# Altium PCB MB1397.PcbDoc (part 8 of 11)
Units mm, origin at the board's own origin, x right, y up, seen from the top; angles counter-clockwise.
Board outline 118.24 x 172.86 mm, 6 copper layers (Top Layer, L2_GND, L3_VCC, L4_SIG, L5_GND, Bottom Layer), stack 1.631 mm thick; 819 components, 632 nets, 2875 pads, 1523 vias.
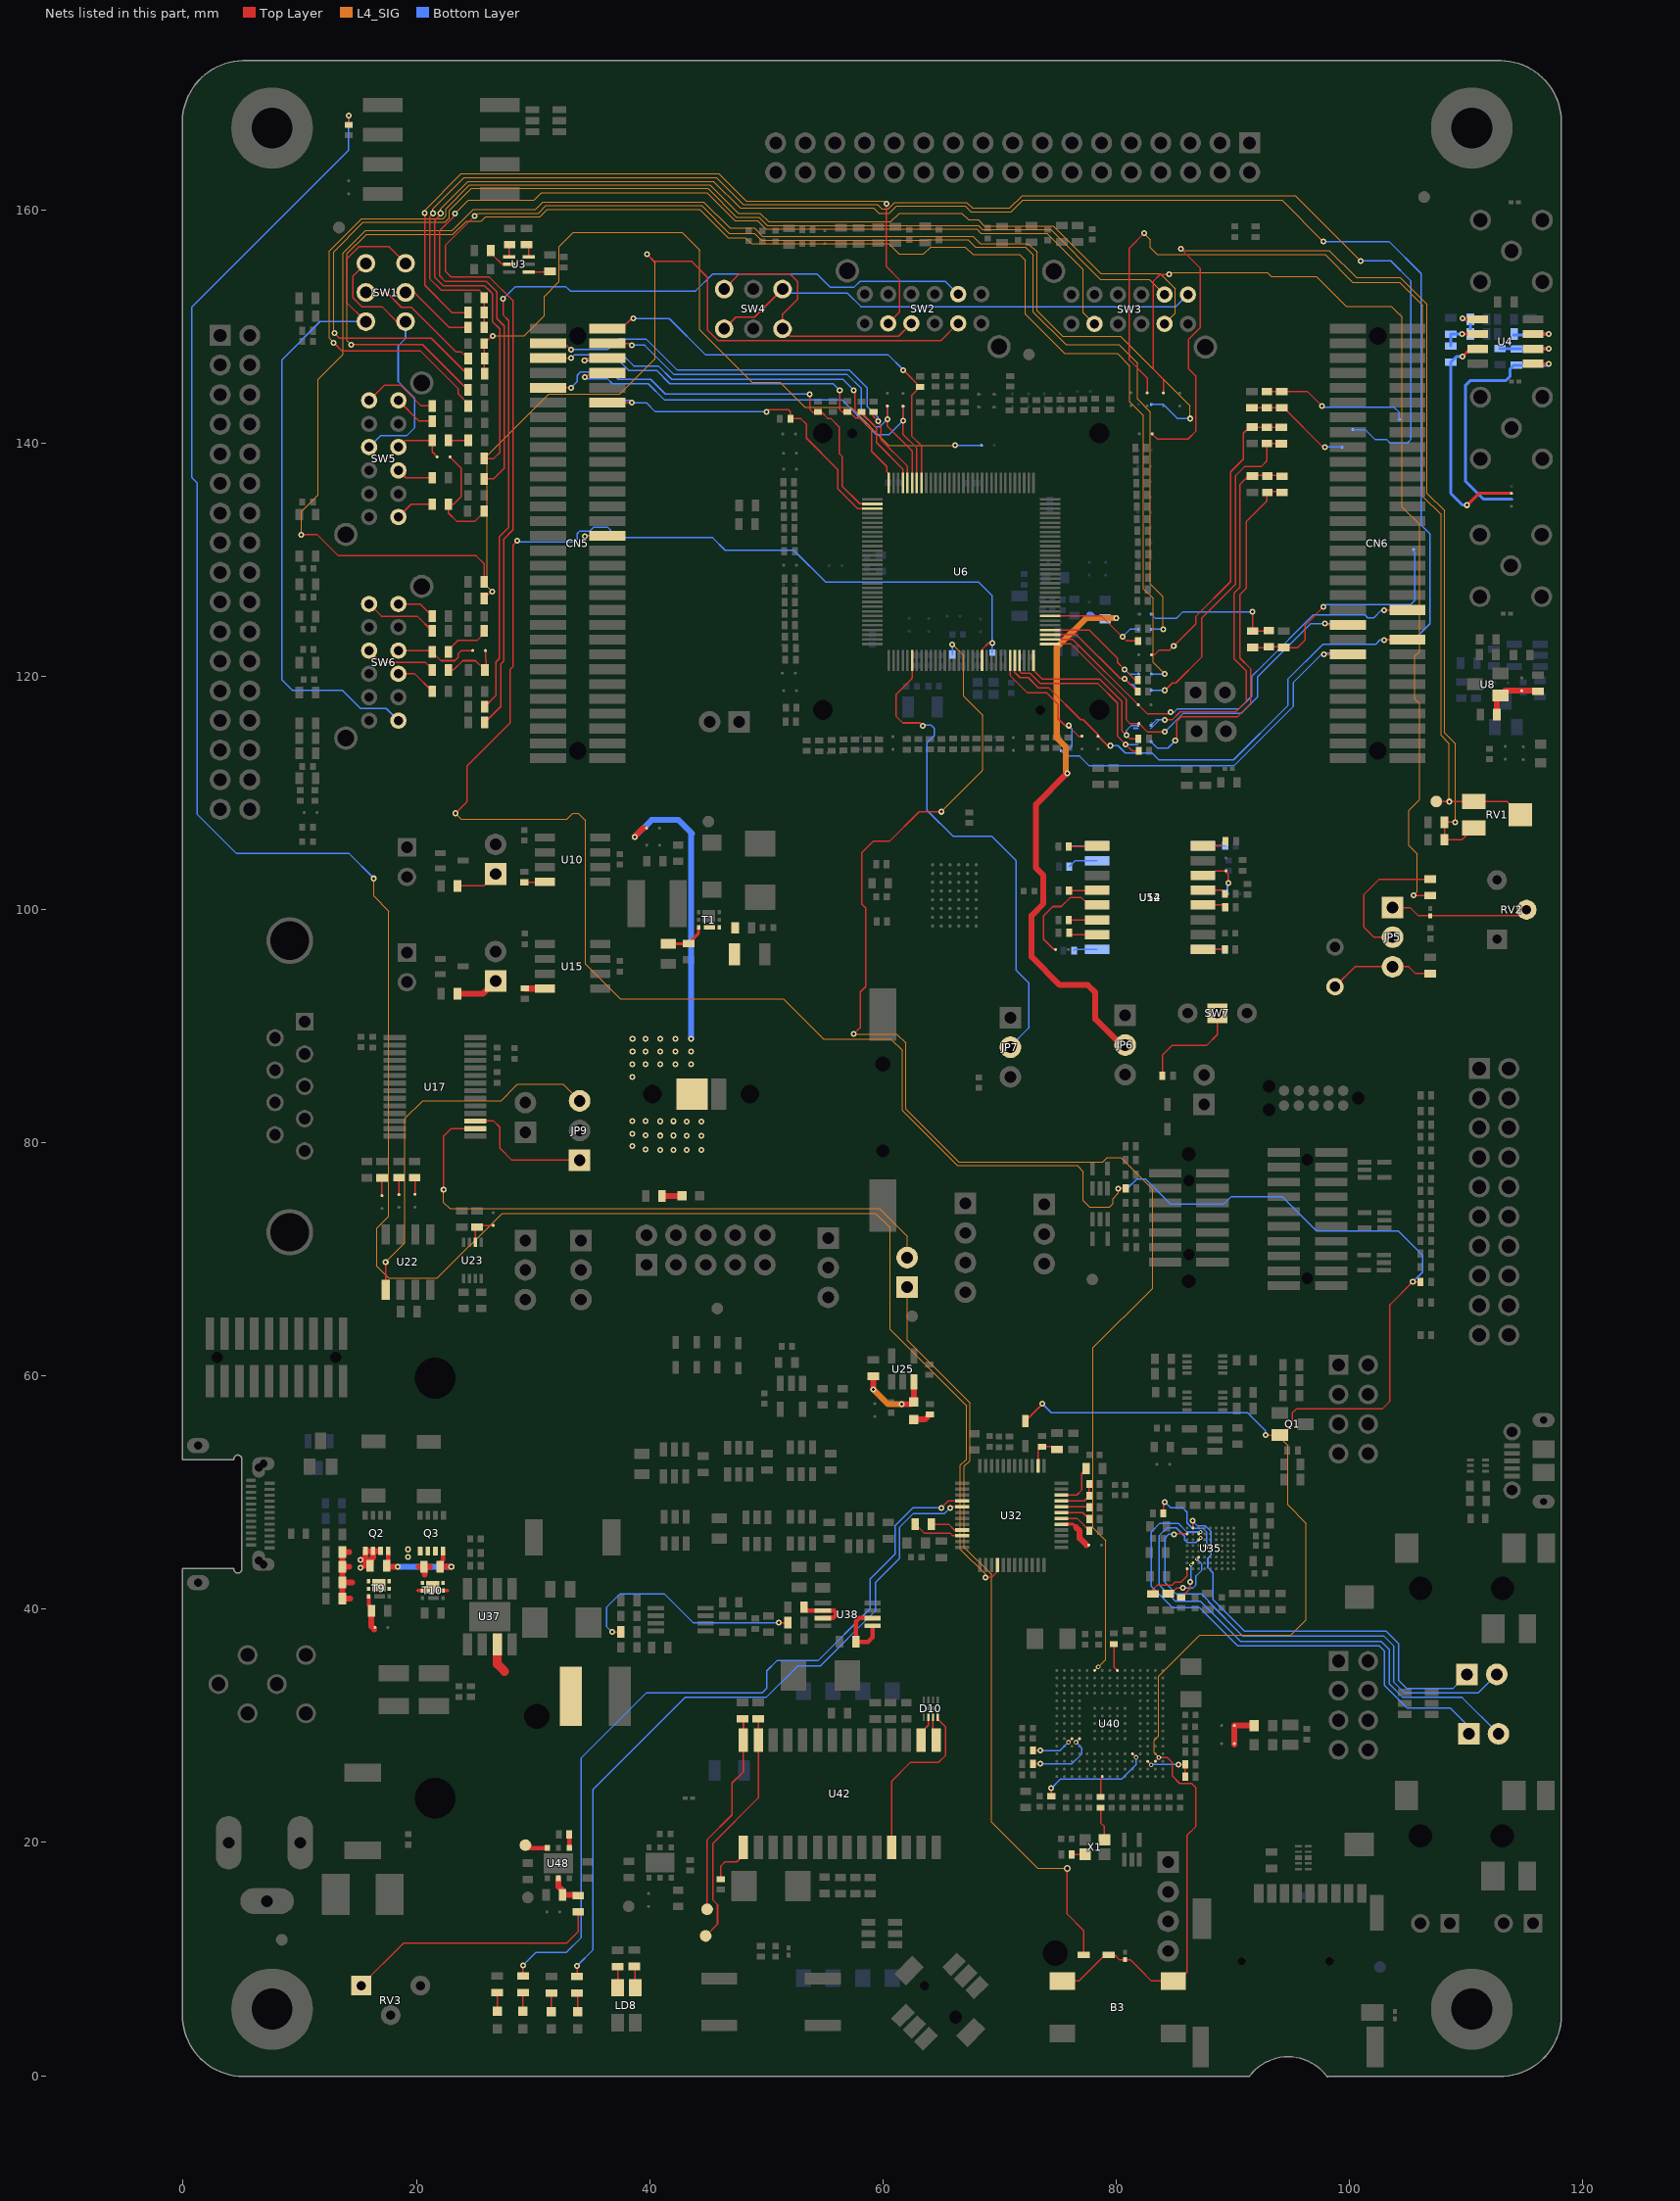
[diagram p12: the nets of this part, all layers, seen from the top]

## Via types
v1: diameter 0.508, hole 0.254, Top Layer to Bottom Layer, tented both sides, 1330 vias
v2: diameter 0.406, hole 0.203, Top Layer to Bottom Layer, tented both sides, 115 vias
v3: diameter 0.508, hole 0.254, Top Layer to Bottom Layer, 33 vias
v4: diameter 0.305, hole 0.152, Top Layer to Bottom Layer, tented both sides, 26 vias
v5: diameter 0.61, hole 0.305, Top Layer to Bottom Layer, tented both sides, 14 vias
v6: diameter 0.61, hole 0.33, Top Layer to Bottom Layer, tented both sides, 2 vias
v7: diameter 0.381, hole 0.203, Top Layer to Bottom Layer, tented both sides, 2 vias
v8: diameter 0.508, hole 0.203, Top Layer to Bottom Layer, tented both sides, 1 vias

## Nets (pads, with @x,y where several pads share a name; then routed paths per layer and width w, separated by ;. In a path a pad name is that pad's centre, name@x,y a point inside that pad or via, vN(x,y) a via of type N, cw(c..) or ccw(c..) an arc to the next point about the centre after c; other vN are vias at no path point) (continued)
NetD10_2: D10.2 U42.16 | length 2.2
  Top Layer w0.127: U42.16@63.283,28.765 63.284,28.763 63.284,29.451 63.894,30.061 D10.2@63.894,30.733
NetD10_3: D10.3 U42.15 | length 2.1
  Top Layer w0.127: D10.3@64.294,30.733 64.292,29.022 U42.15@64.553,28.765 64.554,28.763 U42.15@64.553,28.765
NetD10_4: D10.4 U42.11 | length 14.8
  Top Layer w0.127: U42.11@60.743,19.585 60.744,19.583 60.744,25.258 62.332,26.845 64.742,26.845 65.377,27.48 65.377,29.893 64.694,30.577 D10.4@64.694,30.733
NetD11_2: D11.2 JP18.1 | length 66.2
  Top Layer w0.127: v5(75.798,17.777) 75.798,13.858 77.213,12.443 D11.2@77.213,10.363
  L4_SIG w0.102: JP18.1@62.078,68.402 JP18.1@62.078,67.615 62.078,63.083 67.457,57.703 67.457,52.755 66.98,52.278 66.98,45.313 69.314,42.979 69.314,21.742 73.279,17.777 v5(75.798,17.777)
NetJP2_1: JP2.1 R165.2 | length 3.7
  Top Layer w0.127: R165.2@23.521,102.027 25.766,102.027 JP2.1@26.782,103.044
NetJP4_1: JP4.1 R181.2 | length 3.7
  Top Layer w0.508: R181.2@23.52,92.788 25.715,92.786 JP4.1@26.782,93.854
NetJP5_1: JP5.1 RV2.2 U14.1 | length 12
  Top Layer w0.127: JP5.1@103.701,100.167 105.208,100.167 105.915,99.46 U14.1@106.934,99.46 ; U14.1@106.934,99.46 114.668,99.459 RV2.2@115.189,99.98
NetJP5_2: JP5.2 R164.2 | length 11.9
  Top Layer w0.127: JP5.2@103.701,97.627 102.091,97.627 101.244,98.473 101.244,101.298 102.547,102.6 R164.2@106.934,102.6
NetJP5_3: JP5.3 R174.1 R179.1 | length 9.1
  Top Layer w0.127: R174.1@98.762,93.377 100.472,95.087 JP5.3@103.701,95.087 105.079,95.087 105.664,94.502 R179.1@106.934,94.502
NetJP6_2: JP6.2 L9.1 SB90.1 | length 49.8
  Top Layer w0.508: v1(75.791,111.681) 73.124,109.014 73.124,103.553 73.759,102.918 73.759,100.505 72.743,99.489 72.743,95.933 75.156,93.52 77.569,93.52 78.204,92.885 78.204,90.599 80.427,88.377 JP6.2@80.772,88.377
  L4_SIG w0.508: v1(75.791,111.681) 75.664,111.808 75.664,113.955 74.902,114.717 74.902,122.476 77.404,124.978 v1(80.02,124.978)
  Bottom Layer w0.508: SB90.1@77.696,125.278 77.823,125.278 78.123,124.978 v1(80.02,124.978)
NetJP7_2: JP7.2 U6.6 | length 42.8
  Top Layer w0.127: U6.6@62.503,121.346 62.502,119.855 62.484,119.837 62.484,119.791 61.112,118.42 61.112,116.586 61.702,115.999 63.18,115.999 v1(63.421,115.758)
  Bottom Layer w0.127: v1(63.421,115.758) 63.472,115.809 64.12,115.809 64.412,115.517 64.412,114.932 63.777,114.297 63.777,108.506 66.012,106.271 69.339,106.271 71.422,104.188 71.422,94.79 72.489,93.723 72.489,89.83 JP7.2@70.924,88.265
NetJP9_1: JP9.1 U17.17 | length 11.4
  Top Layer w0.127: U17.17@25.04,81.863 26.617,81.862 27.15,81.328 27.15,79.55 28.191,78.509 JP9.1@33.995,78.51
NetJP9_3: JP9.3 U22.1 | length 32.2
  Top Layer w0.127: U22.1@17.367,67.391 v1(17.366,69.771)
  L4_SIG w0.102: v1(17.366,69.771) 19.022,71.427 19.022,82.09 20.546,83.614 27.277,83.614 28.547,84.884 28.547,84.91 28.649,85.011 32.573,85.011 JP9.3@33.995,83.59
NetJP16_1: JP16.1 U35.A2 | length 36
  Top Layer w0.127: v1(86.535,47.572) 86.561,47.546 86.561,47.445 86.576,47.429 U35.A2@86.577,46.966
  Bottom Layer w0.127: v1(86.535,47.572) 86.942,47.165 87.627,47.165 88.11,46.683 88.11,44.625 87.856,44.371 87.856,43.558 88.293,43.122 88.293,40.836 90.988,38.14 103.116,38.14 104.216,37.04 104.216,33.901 104.921,33.195 108.862,33.195 JP16.1@110.084,34.417
NetJP16_2: JP16.2 U35.B1 | length 40.8
  Top Layer w0.127: v1(84.96,46.429) 84.996,46.464 U35.B1@86.077,46.466
  Bottom Layer w0.127: v1(84.96,46.429) 84.503,46.429 84.173,46.098 84.173,42.288 85.164,41.298 87.323,41.298 87.912,40.709 87.912,40.632 90.825,37.719 102.921,37.719 103.81,36.83 103.81,33.737 104.733,32.814 111.021,32.814 JP16.2@112.624,34.417
NetJP17_1: JP17.1 U35.B3 | length 44.3
  Top Layer w0.127: U35.B3@87.077,46.466 v4(87.236,46.624)
  Bottom Layer w0.127: v4(87.236,46.624) 86.06,46.624 85.316,47.368 83.741,47.368 83.005,46.632 83.005,41.958 84.808,40.155 87.119,40.155 90.399,36.876 102.539,36.876 102.987,36.428 102.987,33.482 104.948,31.521 108.644,31.521 110.236,29.929 JP17.1@110.236,29.314
NetJP17_2: JP17.2 U35.C3 | length 45.3
  Top Layer w0.127: U35.C3@87.077,45.966 v4(87.236,46.124)
  Bottom Layer w0.127: v4(87.236,46.124) 86.83,45.717 86.089,45.717 85.862,45.944 85.862,45.988 85.852,45.998 85.852,46.274 85.138,46.987 84.376,46.987 83.665,46.276 83.665,42.111 85.087,40.688 87.221,40.688 90.653,37.257 102.697,37.257 103.429,36.525 103.429,33.58 104.575,32.433 109.654,32.433 JP17.2@112.776,29.314
NetJP18_2: JP18.2 U17.16 | length 51.4
  Top Layer w0.127: v1(22.324,75.994) 22.324,80.566 22.971,81.213 U17.16@25.04,81.213
  L4_SIG w0.102: v1(22.324,75.994) 22.324,74.882 22.863,74.343 59.693,74.343 62.078,71.958 JP18.2@62.078,70.155
NetL5_1: L5.1 U37.7 | length 2.6
  Top Layer w0.762: U37.7@26.924,36.995 U37.7@26.924,36.986 26.924,35.306 27.559,34.671
NetL6_1: L6.1 SB45.2 SB46.2 | length 3.3
  Top Layer w0.508: SB46.2@90.134,28.402 SB45.2@90.135,30.023 L6.1@91.834,30.023
NetLD1_2: LD1.2 R297.1 | length 1.6
  Top Layer w0.127: LD1.2@26.924,5.516 R297.1@26.924,7.143
NetLD2_2: LD2.2 R298.1 | length 1.6
  Top Layer w0.127: R298.1@29.136,7.143 29.141,7.135 29.141,5.514 LD2.2@29.143,5.516
NetLD3_2: LD3.2 R299.1 | length 1.6
  Top Layer w0.127: LD3.2@31.567,5.502 31.565,5.502 31.565,7.099 R299.1@31.567,7.1
NetLD4_2: LD4.2 R300.1 | length 1.6
  Top Layer w0.127: R300.1@33.782,7.1 33.81,7.071 LD4.2@33.81,5.502
NetLD5_2: LD5.2 SB33.2 | length 25.1
  Top Layer w0.254: 39.464,106.977 SB33.2@39.742,106.977
  Top Layer w0.508: v1(38.707,106.22) 39.464,106.977 ; LD5.2@43.536,84.228 LD5.2@43.614,84.149
  Bottom Layer w0.508: v1(38.707,106.22) 40.155,107.668 42.466,107.668 43.614,106.52 43.536,106.441 v3(43.536,88.9)
  other v1: 44.434,79.364
  other v3: 43.179,79.385 39.634,79.408 40.889,79.387 42.048,79.39 38.529,79.731 44.436,80.594 40.892,80.617 42.051,80.62 43.181,80.614 39.637,80.637 38.506,80.769 44.436,81.813 40.892,81.836 42.051,81.839 43.181,81.834 38.506,81.862 39.637,81.856 38.504,85.636 40.915,86.716 42.215,86.716 43.533,86.716 38.529,86.741 39.66,86.736 40.917,87.808 42.217,87.808 43.536,87.808 38.532,87.833 39.662,87.828 40.917,88.9 42.217,88.9 38.532,88.925 39.662,88.92
NetLD6_1: LD6.1 R198.2 | length 1.7
  Top Layer w0.508: R198.2@41.062,75.442 LD6.1@42.784,75.442
NetLD7_1: LD7.1 R221.2 | length 1.6
  Top Layer w0.508: LD7.1@62.634,56.265 63.592,56.265 R221.2@64.028,56.7
NetLD7_2: LD7.2 R215.2 U25.3 | length 7
  Top Layer w0.508: v1(59.167,58.849) R215.2@59.167,59.978 ; v1(61.592,57.579) 62.438,57.579 LD7.2@62.637,57.778 62.649,57.79 U25.3@62.649,59.482
  L4_SIG w0.508: v1(59.167,58.849) 60.437,57.579 v1(61.592,57.579) v1@61.694,57.579
NetLD8_2: LD8.2 R296.1 | length 1.8
  Top Layer w0.127: R296.1@37.244,9.361 37.254,9.347 LD8.2@37.256,7.55
NetLD8_3: LD8.3 R295.1 | length 1.9
  Top Layer w0.127: R295.1@38.685,9.377 38.755,9.304 LD8.3@38.756,7.55
NetQ2_1: Q2.1 Q2.2 Q2.3 Q3.1 Q3.2 Q3.3 R248.2 | length 5
  Top Layer w0.508: v1(15.212,44.244) 15.528,44.244 15.627,44.146 ; 15.54,43.736 R248.2@16.036,43.736 ; Q2.3@16.886,45.005 Q2.2@16.277,45.005 ; 15.627,44.146 R248.2@16.036,43.736 ; 15.627,44.146 Q2.1@15.627,45.005 Q2.2@16.277,45.005 ; R248.2@16.036,43.736 R248.2@16.038,43.738 ; R248.2@16.036,43.736 16.038,43.736 R248.2@16.038,43.738 ; R248.2@16.038,43.738 16.038,44.195 16.277,44.434 Q2.2@16.277,45.005
  other v1: 15.216,43.561 19.276,44.498 19.276,45.133
NetQ2_4: Q2.4 Q3.4 R248.1 R249.2 | length 9.3
  Top Layer w0.381: R248.1@17.437,43.736 17.437,44.056 17.584,44.204 Q2.4@17.584,45.006 ; R249.2@22.088,43.645 22.088,44.008 22.283,44.204 Q3.4@22.283,45.004
  Top Layer w0.508: R248.1@17.437,43.736 17.529,43.645 v1(18.412,43.645) ; R249.2@22.088,43.645 v1(22.995,43.645)
  Bottom Layer w0.508: v1(18.412,43.645) v1(22.995,43.645)
NetR1_2: R1.2 U32.28 | length 200.9
  Top Layer w0.127: R1.2@14.191,167.277 v1(14.191,168.069) ; v1(68.806,42.72) 69.314,42.72 69.807,43.213 U32.28@69.807,43.79
  L4_SIG w0.102: v1(16.355,102.664) 16.355,101.14 17.625,99.87 17.625,73.708 16.609,72.692 16.609,69.39 17.6,68.4 21.791,68.4 27.353,73.962 59.357,73.962 60.604,72.715 60.604,64.003 67.155,57.452 67.155,52.88 66.647,52.372 66.647,45.133 68.806,42.974 v1(68.806,42.72)
  Bottom Layer w0.127: v1(14.191,168.069) 14.191,165.118 0.734,151.661 0.734,137.03 1.217,136.548 1.217,108.151 4.544,104.823 14.196,104.823 v1(16.355,102.664)
NetR13_2: R13.2 U3.6 | length 1.1
  Top Layer w0.127: R13.2@29.439,157.009 29.632,156.815 U3.6@29.632,155.971
NetR14_1: R14.1 U3.4 | length 1.8
  Top Layer w0.127: U3.4@29.632,154.671 31.394,154.671 R14.1@31.445,154.723
NetR15_2: R15.2 U3.2 | length 2.2
  Top Layer w0.127: R15.2@26.379,156.507 26.379,156.282 27.341,155.321 U3.2@27.932,155.321
NetR17_2: R17.2 U3.1 | length 1.1
  Top Layer w0.127: U3.1@27.932,155.971 27.932,156.95 R17.2@27.991,157.009
NetR20_2: R20.2 SW2.2 | length 64.2
  Top Layer w0.127: v1(20.724,159.7) 20.724,153.515 23.061,151.178 R20.2@24.417,151.178 ; v1(60.297,160.525) 60.297,155.115 61.44,153.972 61.44,151.254 SW2.2@60.446,150.262 SW2.2@60.446,150.262
  L4_SIG w0.102: v1(20.724,159.7) 20.724,159.967 23.848,163.091 45.926,163.091 48.263,160.754 60.068,160.754 v1(60.297,160.525)
NetR22_1: R22.1 SW1.5 | length 6.6
  Top Layer w0.127: SW1.5@19.068,152.908 19.807,152.908 22.807,149.908 R22.1@24.42,149.908
NetR24_1: R24.1 SW1.2 | length 11.1
  Top Layer w0.127: SW1.2@15.667,152.908 17.445,152.908 18.717,151.635 19.581,151.635 23.416,147.8 23.861,147.8 R24.1@24.42,147.241
NetR25_2: R25.2 SW3.8 | length 97.6
  Top Layer w0.127: v1(12.977,149.426) 13.409,148.994 21.267,148.994 R25.2@24.417,145.844
  L4_SIG w0.102: v1(12.977,149.426) 12.901,149.502 12.901,156.385 15.441,158.925 22.451,158.925 22.832,159.306 22.832,159.941 24.712,161.821 44.981,161.821 47.445,159.357 49.375,159.357 50.086,158.646 68.171,158.646 68.527,158.29 74.394,158.29 78.654,154.031 82.834,154.031 SW3.8@84.146,152.722
NetR51_2: R51.2 SW3.5 | length 105
  Top Layer w0.127: v1(12.913,148.6) 13.637,147.876 20.368,147.876 23.594,144.65 23.594,144.193 24.445,143.342 R51.2@24.446,143.184
  L4_SIG w0.102: v1(12.913,148.6) 12.545,148.968 12.545,156.461 15.314,159.23 22.273,159.23 22.527,159.484 22.527,160.094 24.559,162.126 45.184,162.126 47.597,159.713 49.451,159.713 50.188,158.976 60.678,158.976 61.415,159.713 66.749,159.713 67.333,159.128 68.171,159.128 68.704,158.595 74.597,158.595 78.661,154.531 83.741,154.531 85.062,153.21 85.062,151.138 SW3.5@84.146,150.222
NetR52_1: R52.1 SW5.9 | length 6.7
  Top Layer w0.127: SW5.9@15.95,143.65 SW5.9@15.951,143.647 ; SW5.9@15.95,143.65 17.257,144.955 18.641,144.955 20.419,143.177 R52.1@21.351,143.179
NetR55_1: R55.1 SW5.6 | length 3.6
  Top Layer w0.127: SW5.6@18.451,143.647 SW5.6@18.45,143.65 20.223,141.874 R55.1@21.351,141.875
NetR58_1: R58.1 SB14.1 SW5.4 | length 4.7
  Top Layer w0.127: SW5.4@18.45,139.65 19.03,140.228 R58.1@21.351,140.228 21.351,139.235 SB14.1@21.776,138.812
NetR58_2: R58.2 R59.1 | length 1.7
  Top Layer w0.127: R58.2@22.751,140.228 R59.1@24.446,140.228
NetR64_1: R64.1 SW5.3 | length 3.2
  Top Layer w0.127: SW5.3@18.45,137.65 19.083,137.015 R64.1@21.351,137.017
NetR66_2: R66.2 SW3.2 | length 91.2
  Top Layer w0.127: v1(23.315,159.687) 23.315,159.535 21.994,158.214 21.994,154.333 22.482,153.845 26.012,153.845 26.909,152.949 26.909,150.658 27.531,150.035 27.531,137.843 26.612,136.925 R66.2@25.813,136.925
  L4_SIG w0.102: v1(23.315,159.687) 24.458,160.83 30.096,160.83 30.706,161.44 44.905,161.44 47.292,159.052 49.248,159.052 49.959,158.341 68.044,158.341 68.4,157.985 74.064,157.985 77.188,154.861 77.188,151.178 SW3.2@78.146,150.222
NetR72_1: R72.1 SW5.1 | length 2.6
  Top Layer w0.127: 18.969,134.168 19.548,134.747 R72.1@21.342,134.747
NetR72_2: R72.2 R76.1 SB14.2 | length 9.6
  Top Layer w0.127: SB14.2@22.876,138.812 23.823,137.864 23.823,135.379 23.19,134.747 R72.2@22.742,134.747 22.742,133.996 23.467,133.271 24.996,133.271 R76.1@25.822,134.097
NetR95_2: R95.2 SW2.5 | length 72.9
  Top Layer w0.127: R95.2@25.821,126.67 26.403,127.251 v1(26.513,127.251) ; v1(39.774,156.182) 40.383,155.572 43.584,155.572 44.961,154.196 44.961,149.685 45.88,148.765 64.95,148.765 SW2.5@66.446,150.262
  L4_SIG w0.102: v1(26.513,127.251) 26.058,127.706 26.058,138.91 31.341,144.193 37.437,144.193 40.485,147.241 40.485,155.471 v1(39.774,156.182)
NetR99_1: R99.1 SW6.6 | length 3.3
  Top Layer w0.127: SW6.6@18.451,126.202 20.315,126.2 R99.1@21.351,125.166
NetR103_1: R103.1 SW6.9 | length 6.4
  Top Layer w0.127: SW6.9@15.951,126.202 17.008,125.143 20.086,125.143 R103.1@21.351,123.879
NetR104_1: R104.1 R110.2 | length 4
  Top Layer w0.127: R110.2@22.751,122.082 22.751,122.268 23.546,123.063 25.197,123.063 25.817,123.683 R104.1@25.817,123.873
NetR110_1: R110.1 SB19.1 SW6.4 | length 7.3
  Top Layer w0.127: SW6.4@18.451,122.202 21.229,122.202 22.098,121.333 23.289,121.333 23.569,121.613 23.569,121.917 23.847,122.196 SB19.1@24.824,122.196
NetR114_1: R114.1 SW6.7 | length 6.1
  Top Layer w0.127: SW6.7@15.951,122.202 16.944,121.206 20.737,121.206 R114.1@21.372,120.571
NetR114_2: R114.2 R115.1 SB19.2 | length 5.4
  Top Layer w0.127: R114.2@22.771,120.571 23.213,120.571 23.975,121.333 25.057,121.333 25.819,120.571 25.974,120.726 25.974,121.387 25.924,121.437 SB19.2@25.924,122.196
NetR117_1: R117.1 R124.2 SB22.2 U8.1 | length 5.2
  Top Layer w0.508: R124.2@112.633,116.698 112.631,118.024 U8.1@112.959,118.351 113.365,118.755 116.126,118.755 116.175,118.707 R117.1@116.176,118.707
NetR119_1: R119.1 SW6.3 | length 3.5
  Top Layer w0.127: SW6.3@18.451,120.202 19.855,120.2 R119.1@21.351,118.707
NetR122_2: R122.2 SW2.8 | length 77.4
  Top Layer w0.127: R122.2@25.846,117.373 26.822,118.35 26.822,121.234 27.102,121.514 27.102,131.953 27.912,132.763 27.912,150.495 27.432,150.975 v1(27.432,152.349)
  Bottom Layer w0.127: v1(27.432,152.349) 28.499,153.416 32.812,153.416 33.195,153.032 43.939,153.032 45.413,154.506 54.328,154.506 55.496,153.337 57.503,153.337 58.011,153.845 65.362,153.845 SW2.8@66.446,152.762
NetR159_2: R159.2 U12.8 | length 2.1
  Top Layer w0.127: U12.8@87.454,105.459 88.979,105.458 R159.2@89.38,105.861 R159.2@89.38,105.862
NetR160_1: R160.1 U12.9 | length 2.4
  Top Layer w0.127: R160.1@75.947,105.408 78.303,105.407 U12.9@78.354,105.459
NetR163_1: R163.1 U10.8 | length 1.8
  Top Layer w0.127: R163.1@29.25,102.332 30.983,102.332 U10.8@31.011,102.361
NetR167_1: R167.1 U12.12 | length 2.4
  Top Layer w0.127: R167.1@75.952,101.626 78.329,101.625 78.351,101.648 U12.12@78.354,101.649
NetR168_2: R168.2 U12.5 | length 2
  Top Layer w0.127: U12.5@87.454,101.649 89.035,101.648 R168.2@89.335,101.349
NetR169_2: R169.2 U12.4 | length 2
  Top Layer w0.127: U12.4@87.454,100.379 89.139,100.378 R169.2@89.344,100.175
NetR170_1: R170.1 U12.14 | length 2.4
  Top Layer w0.127: R170.1@75.947,99.086 78.329,99.085 78.351,99.108 U12.14@78.354,99.109
NetR172_1: R172.1 R177.2 T1.4 T1.7
NetR173_1: R173.1 U12.15 | length 2.4
  Top Layer w0.127: R173.1@75.987,97.965 76.054,97.899 76.116,97.838 U12.15@78.354,97.839
NetR175_2: R175.2 R176.2 T1.3 | length 3.4
  Top Layer w0.254: R175.2@41.6,97.072 43.302,97.071 44.199,97.968 T1.3@44.199,98.445
NetR178_2: R178.2 U12.1 | length 1.9
  Top Layer w0.127: U12.1@87.454,96.569 R178.2@89.312,96.569
NetR180_1: R180.1 U15.8 | length 1.7
  Top Layer w0.508: R180.1@29.309,93.208 29.319,93.218 U15.8@31.011,93.219
NetR182_2: R182.2 SW7.1 | length 9
  Top Layer w0.127: R182.2@83.96,85.75 83.96,87.507 84.816,88.363 87.762,88.363 88.666,89.268 SW7.1@88.666,91.107
NetR190_1: R190.1 SB39.2 | length 1.5
  Top Layer w0.127: R190.1@18.501,77.009 18.499,75.557 SB39.2@18.501,75.557
NetR191_2: R191.2 SB37.2 | length 1.4
  Top Layer w0.127: R191.2@19.847,77.009 19.881,76.975 SB37.2@19.88,75.577
NetR192_2: R192.2 SB38.1 | length 1.5
  Top Layer w0.127: SB38.1@17.044,75.462 R192.2@17.044,76.987
NetR202_1: R202.1 SB40.2 U23.2 | length 2.8
  Top Layer w0.127: U23.2@25.051,71.472 25.049,72.614 25.347,72.911 SB40.2@26.579,72.912
NetR223_1: R223.1 R224.2 U32.2 | length 3.2
  Top Layer w0.127: U32.2@73.307,52.292 73.307,53.607 R224.2@73.644,53.944 74.694,53.942 74.927,53.708 R223.1@74.929,53.709
NetR232_2: R232.2 U32.46 | length 3.9
  Top Layer w0.127: U32.46@75.307,49.792 76.614,49.792 77.061,50.239 77.061,51.694 R232.2@77.429,52.063
NetR234_1: R234.1 R235.2 U32.45 | length 3.6
  Top Layer w0.127: U32.45@75.307,49.292 77.254,49.291 R235.2@77.688,49.726 ; R234.1@77.679,50.741 77.678,50.742 77.688,50.731 R235.2@77.688,49.726 ; R235.2@77.688,49.725 R235.2@77.688,49.726
NetR236_1: R236.1 U32.44 | length 2.4
  Top Layer w0.127: U32.44@75.307,48.792 77.625,48.791 R236.1@77.679,48.738
NetR237_2: R237.2 U35.D4 U35.D5 | length 8.1
  Top Layer w0.127: R237.2@84.047,48.225 84.046,49.07 v1(84.173,49.197) ; U35.D4@87.577,45.466 v4(87.737,45.306) U35.D5@88.077,45.466
  Bottom Layer w0.127: v1(84.173,49.197) 84.681,48.689 85.722,48.689 86.078,48.334 86.078,47.394 86.535,46.937 87.424,46.937 87.737,46.624 v4(87.737,45.306)
NetR239_2: R239.2 U32.43 | length 2.6
  Top Layer w0.127: U32.43@75.307,48.292 77.125,48.29 R239.2@77.679,47.738
NetR240_1: R240.1 U32.21 | length 2.8
  Top Layer w0.127: R240.1@64.173,47.292 65.631,47.292 66.131,46.792 U32.21@66.807,46.792
NetR240_2: R240.2 U32.22 | length 4.4
  Top Layer w0.127: R240.2@62.774,47.292 63.536,46.53 65.758,46.53 65.997,46.292 U32.22@66.807,46.292
NetR243_2: R243.2 U32.42 | length 2.8
  Top Layer w0.127: U32.42@75.307,47.792 76.65,47.79 R243.2@77.704,46.738
NetR246_1: R246.1 R250.1 R254.1 R259.1 T9.1 T9.2 T9.5 T9.6 T9.8 | length 7.5
  Top Layer w0.508: 13.652,42.954 R250.1@13.654,43.634 ; R246.1@13.654,44.904 R246.1@13.652,45.029 ; 14.226,43.634 R250.1@13.654,43.634 ; 14.226,44.904 R246.1@13.654,44.904 R250.1@13.654,43.634 ; 14.329,40.906 R259.1@13.654,40.906 R254.1@13.654,42.306 ; 14.484,42.306 R254.1@13.654,42.306 ; R254.1@13.654,42.306 R250.1@13.654,43.634
NetR249_1: R249.1 T10.1 T10.2 T10.5 T10.6 T10.8 | length 2.5
  Top Layer w0.305: 20.13,41.613 T10.2@20.533,41.613 ; T10.5@22.283,41.613 22.669,41.613
  Top Layer w0.508: 20.19,43.645 R249.1@20.636,43.645 R249.1@20.688,43.645 ; 20.688,42.967 R249.1@20.688,43.645 ; 21.186,43.645 R249.1@20.688,43.645
NetR257_1: R257.1 U35.F3 | length 5.5
  Top Layer w0.127: R257.1@84.468,41.336 84.468,41.333 84.694,41.333 84.709,41.349 85.189,41.831 v1(85.697,41.831) ; v4(86.916,44.305) U35.F3@87.077,44.466
  Bottom Layer w0.127: v1(85.697,41.831) 86.586,41.831 86.84,42.085 86.84,42.847 87.348,43.355 87.348,43.873 v4(86.916,44.305)